# Altium PCB Main.PcbDoc (part 1 of 3) (continued)
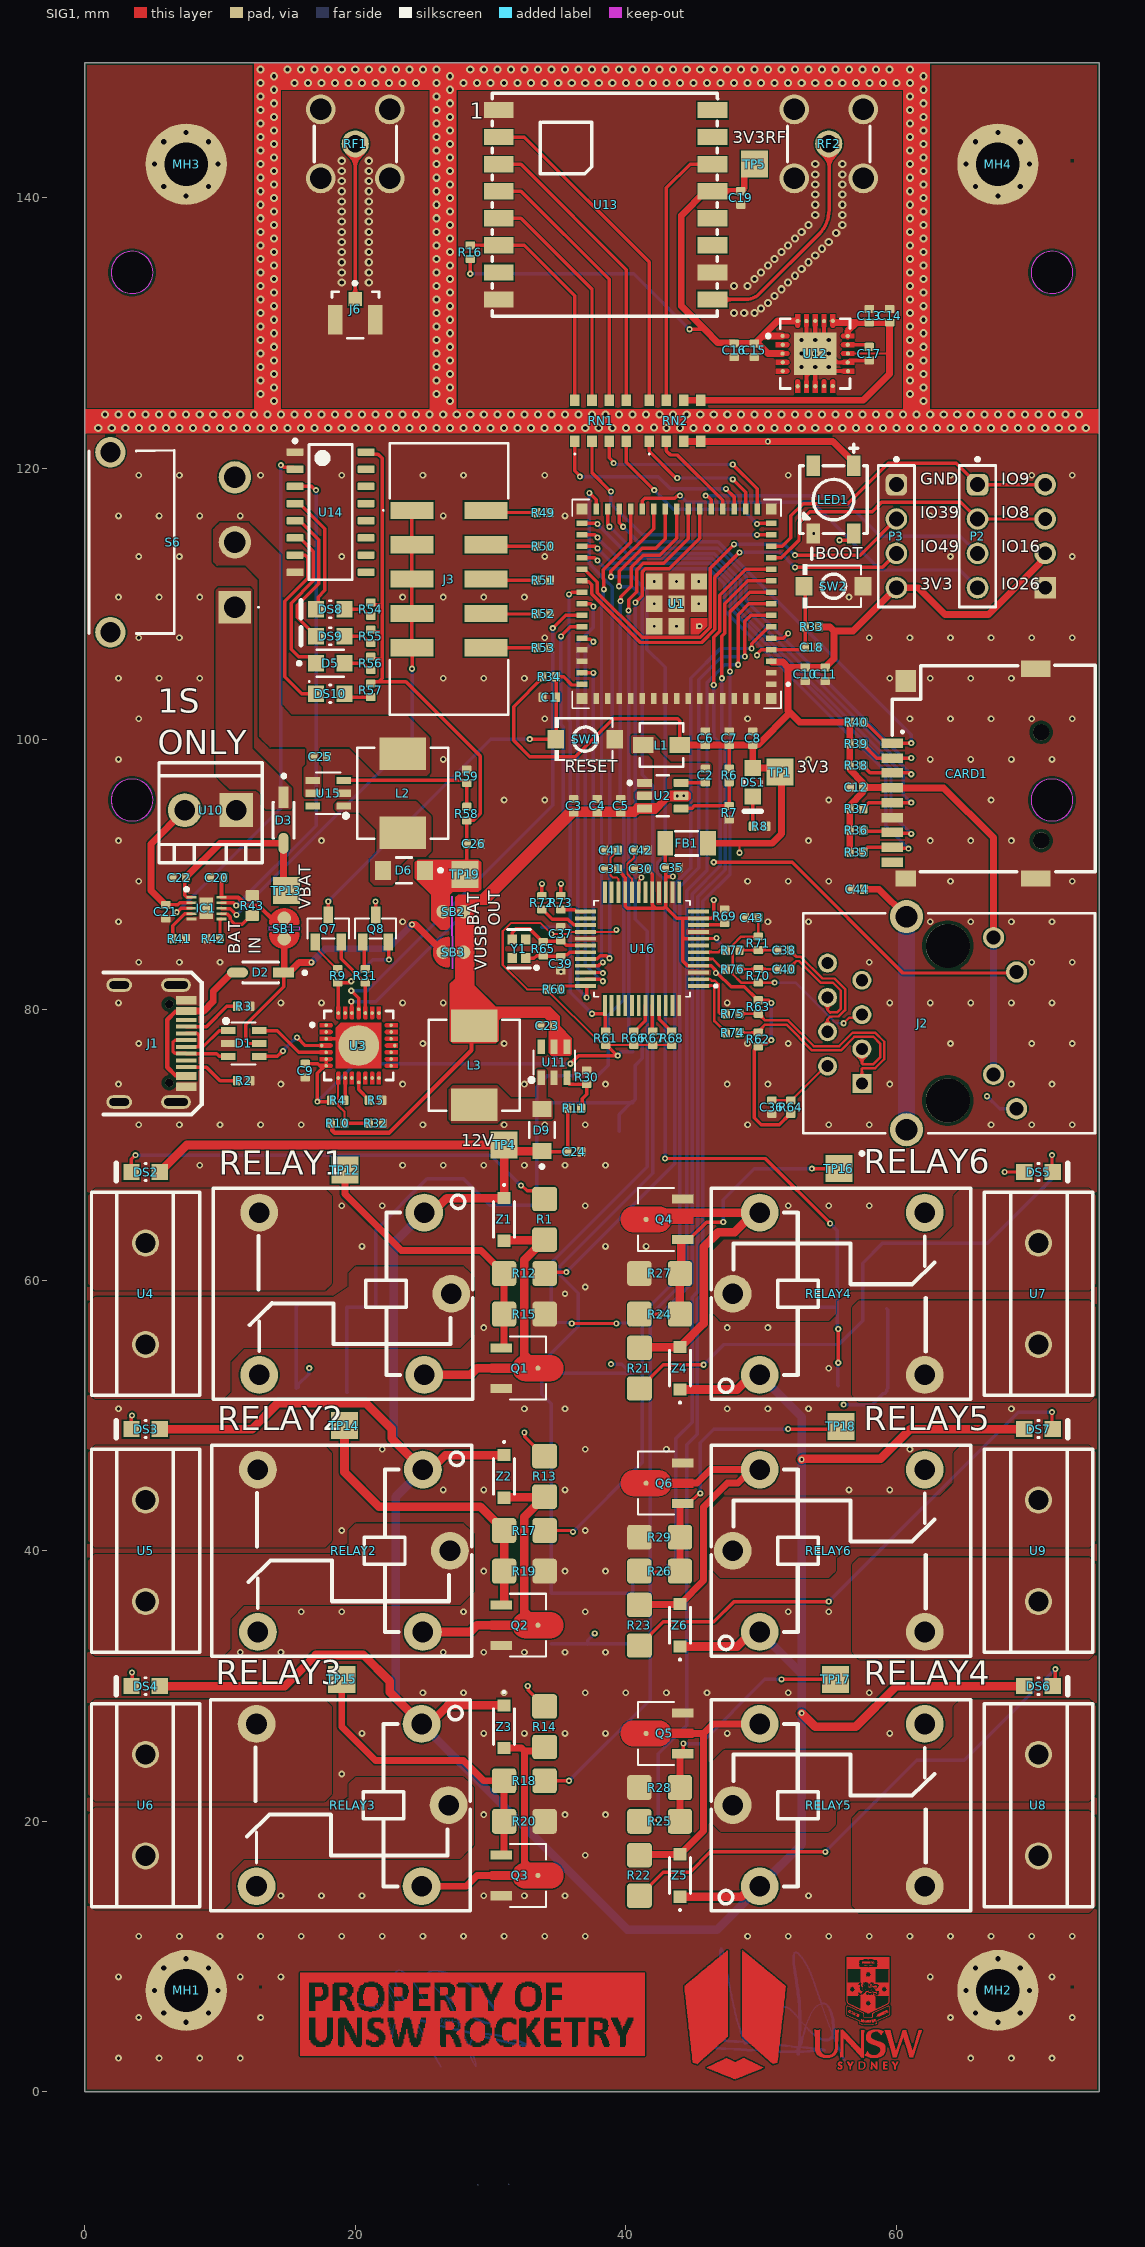
[diagram p0: SIG1 view]
## Components (designator, comment, footprint, x,y, rotation, side; value= is the part's Value field where it differs from the comment)
C1 "CL05B104KB54PNC" CAP_0402 34.35,103.1 r0 top
C2 "CL05B104KB54PNC" CAP_0402 45.884,97.313 r270 top
C3 "CL05A106MQ5NUNC" CAP_0402 36.134,95.063 r270 top value=10u
C4 "CL05A106MQ5NUNC" CAP_0402 37.884,95.063 r270 top value=10u
C5 "CL05B104KB54PNC" CAP_0402 39.634,95.063 r270 top
C6 "GRM158R61A226ME15D" CAP_0402 45.884,100.063 r270 top
C7 "GRM158R61A226ME15D" CAP_0402 47.634,100.063 r270 top
C8 "GRM158R61A226ME15D" CAP_0402 49.384,100.063 r270 top
C9 "CL05A106MQ5NUNC" CAP_0402 16.3,75.5 r90 top value=10u
C10 "CL05B104KB54PNC" CAP_0402 53.25,104.8 r90 top
C11 "CL05A106MQ5NUNC" CAP_0402 54.75,104.8 r90 top value=10u
C12 "CL05B104KB54PNC" CAP_0402 57.05,96.45 r0 top
C13 "CL05A106MQ5NUNC" CAP_0402 58,131.3 r270 top value=10u
C14 "CL05B104KB54PNC" CAP_0402 59.5,131.3 r270 top
C15 "CL05B104KB54PNC" CAP_0402 49.5,128.75 r90 top
C16 "CL05A106MQ5NUNC" CAP_0402 48,128.75 r90 top value=10u
C17 "CL05A106MQ5NUNC" CAP_0402 58,128.5 r270 top value=10u
C18 "CL05B104KB54PNC" CAP_0402 53.75,106.8 r180 top
C19 "CL05B104KB54PNC" CAP_0402 48.5,140 r90 top
C20 "CL05A106MQ5NUNC" CAP_0402 9.75,89.75 r0 top value=10u
C21 "CL05B104KB54PNC" CAP_0402 6,87.25 r270 top
C22 "CL05A106MQ5NUNC" CAP_0402 7,89.75 r0 top value=10u
C23 "GRM158R61A226ME15D" CAP_0402 34.2,78.8 r0 top
C24 "GRM158R61A226ME15D" CAP_0402 36.2,69.5 r180 top
C25 "GRM158R61A226ME15D" CAP_0402 17.4,98.7 r180 top
C26 "GRM158R61A226ME15D" CAP_0402 28.75,92.25 r180 top
C27 "CL05A106MQ5NUNC" CAP_0402 33.8,85.6 r270 bottom value=10u
C28 "CL05B104KB54PNC" CAP_0402 35.2,85.6 r90 bottom
C29 "CL05B104KB54PNC" CAP_0402 43.4,90.5 r0 bottom
C30 "CL05B104KB54PNC" CAP_0402 41.1,90.4 r180 top
C31 "CL05B104KB54PNC" CAP_0402 38.9,90.4 r180 top
C32 "CL05B104KB54PNC" CAP_0402 47.3,86.9 r90 bottom
C33 "CL05B104KB54PNC" CAP_0402 47.9,83 r0 bottom
C34 "CL05B104KB54PNC" CAP_0402 47.9,84.4 r0 bottom
C35 "CL05A106MQ5NUNC" CAP_0402 43.4,90.5 r0 top value=10u
C36 "0402B223K500NT" CAP_0402 50.8,72.8 r90 top
C37 "0402CG8R0C500NT" CAP_0402 35.2,85.6 r270 top
C38 "0402B682K500NT" CAP_0402 51.7,84.4 r180 top
C39 "0402CG8R0C500NT" CAP_0402 35.2,83.4 r90 top
C40 "0402B682K500NT" CAP_0402 51.7,83 r180 top
C41 "CL05B103KB5NNNC" CAP_0402 38.9,91.8 r0 top
C42 "CL05A475MP5NRNC" CAP_0402 41.1,91.8 r180 top
C43 "CL05B103KB5NNNC" CAP_0402 49.3,86.8 r0 top
C44 "CC0402KRX7R0BB102" CAP_0402 57.1,88.9 r0 top
CARD1 "TF PUSH" TF-SMD_TF-PUSH 65,97.45 r90 top
D1 "USBLC6-2SC6" SOT-23-6_L2.9-W1.6-P0.95-LS2.8-BL 11.75,77.5 r270 top
D2 "1N5819HW-7-F" FP-SOD123-IPC_A 13,82.75 r180 top
D3 "1N5819HW-7-F" FP-SOD123-IPC_A 14.7,94 r270 top
D5 "LTST-C170KFKT" FP-LTST-C170KFKT-MFG 18.15,105.6 r0 top
D6 "SS34LWHRVG" FP-SS34LWH-MFG 23.6,90.3 r180 top
D9 "SS34LWHRVG" FP-SS34LWH-MFG 33.8,71.1 r90 top
DS1 "LTST-C170KRKT" LTST-C170KRKT_V 49.384,96.813 r270 top
DS2 "LTST-C170KRKT" LTST-C170KRKT_V 4.5,68 r180 top
DS3 "LTST-C170KRKT" LTST-C170KRKT_V 4.5,49 r180 top
DS4 "LTST-C170KRKT" LTST-C170KRKT_V 4.5,30 r180 top
DS5 "LTST-C170KRKT" LTST-C170KRKT_V 70.5,68 r0 top
DS6 "LTST-C170KRKT" LTST-C170KRKT_V 70.5,30 r0 top
DS7 "LTST-C170KRKT" LTST-C170KRKT_V 70.5,49 r0 top
DS8 "LTST-C170KRKT" LTST-C170KRKT_V 18.15,109.6 r180 top
DS9 "LTST-C170KRKT" LTST-C170KRKT_V 18.15,107.6 r180 top
DS10 "LTST-C170KGKT" LTST-LTST-C170KGKT-2_V 18.15,103.35 r0 top
FB1 "BLM31PG121SN1L" FP-BLM31-0_2-t1_1-MFG 44.5,92.3 r180 top
IC1 "BQ25185DLHR" SON40P220X200X80-11N 9,87.5 r0 top
J1 "TYPE-C-31-M-12" TYPE-C-31-M-12 4.65,77.5 r270 top
J2 "J1B1211CCD" FP-J1B1211CCD-MFG 63.9,79 r90 top
J3 "72454-010VLF" 72454010VLF 26.92,111.83 r270 top
J6 "U.FL-R-SMT-1(80)" FP-U_FL-R-SMT-1_80-MFG 20,131 r180 top
L1 "IHLP1212BZER2R2M11" FP-IHLP-1212BZ-11-MFG 42.634,99.563 r0 top
L2 "IHLP2525EZER4R7M01" FP-IHLP-2525EZ-FP_2_413x3-MFG 23.5,96 r270 top
L3 "IHLP2525EZER4R7M01" FP-IHLP-2525EZ-FP_2_413x3-MFG 28.8,75.9 r270 top
LED1 "XL-5050RGBC-WS2812B" LED-SMD_4P-L5.0-W5.0-BL_XL-5050RGBC 55.35,117.7 r180 top
MH1 "M3PlatedMountingHole2" "PCBComponent_1 - duplicate" 7.5,7.5 r0 top
MH2 "M3PlatedMountingHole2" "PCBComponent_1 - duplicate" 67.5,7.5 r0 top
MH3 "M3PlatedMountingHole2" "PCBComponent_1 - duplicate" 7.5,142.5 r0 top
MH4 "M3PlatedMountingHole2" "PCBComponent_1 - duplicate" 67.5,142.5 r0 top
OLED1 "HS242L03B2C01" OLED-TH_4P-L72.0-W43.0-P2.54 71,115 r180 bottom
P2 "61300411121" 61300411121 66,115 r270 top
P3 "61300411121" 61300411121 60,115 r270 top
Q1 "D882(RANGE:160-320)" SOT-89-3_L4.5-W2.5-P1.50-LS4.2-BR 32.144,53.5 r180 top
Q2 "D882(RANGE:160-320)" SOT-89-3_L4.5-W2.5-P1.50-LS4.2-BR 32.144,34.5 r180 top
Q3 "D882(RANGE:160-320)" SOT-89-3_L4.5-W2.5-P1.50-LS4.2-BR 32.144,16 r180 top
Q4 "D882(RANGE:160-320)" SOT-89-3_L4.5-W2.5-P1.50-LS4.2-BR 42.856,64.5 r0 top
Q5 "D882(RANGE:160-320)" SOT-89-3_L4.5-W2.5-P1.50-LS4.2-BR 42.856,26.5 r0 top
Q6 "D882(RANGE:160-320)" SOT-89-3_L4.5-W2.5-P1.50-LS4.2-BR 42.856,45 r0 top
Q7 "L8050QLT1G" SOT-23-3_L2.9-W1.3-P1.90-LS2.4-BR 18,86 r270 top
Q8 "L8050QLT1G" SOT-23-3_L2.9-W1.3-P1.90-LS2.4-BR 21.5,86 r270 top
R1 "RC1206FR-7W1KL" RES_1206 34,64.5 r270 top value=1k
R2 "0402WGF5101TCE" RES_0402 11.75,74.75 r0 top value=5k1
R3 "0402WGF5101TCE" RES_0402 11.75,80.25 r0 top value=5k1
R4 "0402WGF1001TCE" RES_0402 18.7,73.3 r0 top value=1k
R5 "0402WGF1002TCE" RES_0402 21.5,73.3 r180 top value=10k
R6 "0402WGF3322TCE" RES_0402 47.634,97.313 r90 top value=33k2
R7 "0402WGF1002TCE" RES_0402 47.634,94.563 r90 top value=10k
R8 "0402WGF1001TCE" RES_0402 49.884,93.563 r180 top value=1k
R9 "0402WGF1002TCE" RES_0402 18.7,82.5 r270 top value=10k
R10 "0402WGF2212TCE" RES_0402 18.7,71.6 r180 top
R11 "0402WGF8202TCE" RES_0402 36.2,72.7 r180 top value=82k
R12 "RC1206FR-7W1KL" RES_1206 32.5,60.5 r0 top value=1k
R13 "RC1206FR-7W1KL" RES_1206 34,45.5 r270 top value=1k
R14 "RC1206FR-7W1KL" RES_1206 34,27 r270 top value=1k
R15 "1206W4F1002T5E" RES_1206 32.5,57.5 r180 top value=10k
R16 "0402WGF1002TCE" RES_0402 28.5,136 r90 top value=10k
R17 "RC1206FR-7W1KL" RES_1206 32.5,41.5 r0 top value=1k
R18 "RC1206FR-7W1KL" RES_1206 32.5,23 r0 top value=1k
R19 "1206W4F1002T5E" RES_1206 32.5,38.5 r180 top value=10k
R20 "1206W4F1002T5E" RES_1206 32.5,20 r180 top value=10k
R21 "RC1206FR-7W1KL" RES_1206 41,53.5 r90 top value=1k
R22 "RC1206FR-7W1KL" RES_1206 41,16 r90 top value=1k
R23 "RC1206FR-7W1KL" RES_1206 41,34.5 r90 top value=1k
R24 "RC1206FR-7W1KL" RES_1206 42.5,57.5 r180 top value=1k
R25 "RC1206FR-7W1KL" RES_1206 42.5,20 r180 top value=1k
R26 "RC1206FR-7W1KL" RES_1206 42.5,38.5 r180 top value=1k
R27 "1206W4F1002T5E" RES_1206 42.5,60.5 r0 top value=10k
R28 "1206W4F1002T5E" RES_1206 42.5,22.5 r0 top value=10k
R29 "1206W4F1002T5E" RES_1206 42.5,41 r0 top value=10k
R30 "RC0402FR-074K3L" RES_0402 37.1,75 r270 top value=4k3
R31 "0402WGF1002TCE" RES_0402 20.75,82.5 r270 top value=10k
R32 "RC0402FR-0747K5L" RES_0402 21.5,71.6 r180 top
R33 "0402WGF1002TCE" RES_0402 53.75,108.3 r180 top value=10k
R34 "0402WGF1002TCE" RES_0402 34.35,104.6 r0 top value=10k
R35 "0402WGF1002TCE" RES_0402 57.05,91.65 r180 top value=10k
R36 "0402WGF1002TCE" RES_0402 57.05,93.25 r180 top value=10k
R37 "0402WGF1002TCE" RES_0402 57.05,94.85 r180 top value=10k
R38 "0402WGF1002TCE" RES_0402 57.05,98.05 r180 top value=10k
R39 "0402WGF1002TCE" RES_0402 57.05,99.65 r180 top value=10k
R40 "0402WGF1002TCE" RES_0402 57.05,101.25 r180 top value=10k
R41 "0402WGF1002TCE" RES_0402 7,85.25 r180 top value=10k
R42 "0402WGF1002TCE" RES_0402 9.5,85.25 r0 top value=10k
R43 "0603WAF1302T5E" RES_0603 12.4,87.7 r270 top
R44 "0402WGF1002TCE" RES_0402 35,59 r0 bottom value=10k
R45 "0402WGF1002TCE" RES_0402 40,71 r0 bottom value=10k
R46 "0402WGF1002TCE" RES_0402 21.5,57.5 r270 bottom value=10k
R47 "0402WGF1002TCE" RES_0402 40,39 r180 bottom value=10k
R48 "0402WGF1002TCE" RES_0402 53.5,57.5 r270 bottom value=10k
R49 "0402WGF3000TCE" RES_0402 33.9,116.75 r0 top
R50 "CL0402FN604RP" RES_0402 33.9,114.25 r0 top
R51 "0402WGF1201TCE" RES_0402 33.9,111.75 r0 top
R52 "FRC0402F3001TS" RES_0402 33.9,109.25 r0 top
R53 "RC0402FR-076K04L" RES_0402 33.9,106.75 r0 top
R54 "0402WGF1001TCE" RES_0402 21.15,109.6 r270 top value=1k
R55 "0402WGF1001TCE" RES_0402 21.15,107.6 r270 top value=1k
R56 "0402WGF1001TCE" RES_0402 21.15,105.6 r270 top value=1k
R57 "0402WGF1001TCE" RES_0402 21.15,103.6 r270 top value=1k
R58 "RC0402FR-07110KL" RES_0402 28.25,94.5 r270 top value=110k
R59 "0402WGF1502TCE" RES_0402 28.25,97.25 r270 top value=15k
R60 "0402WGF1002TCE" RES_0402 34.7,81.5 r180 top value=10k
R61 "0402WGF1002TCE" RES_0402 38.5,77.9 r270 top value=10k
R62 "RT0402BRE0750RL" RES_0402 49.8,77.8 r270 top
R63 "RT0402BRE0750RL" RES_0402 49.8,80.2 r90 top
R64 "0402WGF100JTCE" RES_0402 52.2,72.8 r270 top
R65 "0402WGF1004TCE" RES_0402 33.9,84.5 r90 top
R66 "0402WGF1002TCE" RES_0402 40.6,77.9 r270 top value=10k
R67 "0402WGF1002TCE" RES_0402 42,77.9 r270 top value=10k
R68 "0402WGF1002TCE" RES_0402 43.4,77.9 r270 top value=10k
R69 "0402WGF1242TCE" RES_0402 47.3,86.9 r270 top
R70 "RT0402BRE0750RL" RES_0402 49.8,82.5 r90 top
R71 "RT0402BRE0750RL" RES_0402 49.8,84.9 r270 top
R72 "0402WGF3300TCE" RES_0402 33.8,87.9 r270 top
R73 "0402WGF3300TCE" RES_0402 35.2,87.9 r270 top
R74 "0402WGF330JTCE" RES_0402 47.9,78.3 r0 top
R75 "0402WGF330JTCE" RES_0402 47.9,79.7 r0 top
R76 "0402WGF330JTCE" RES_0402 47.9,83 r0 top
R77 "0402WGF330JTCE" RES_0402 47.9,84.4 r0 top
RELAY1 "SRD-12VDC-SL-C" RELAY-TH_SRD-XXVDC-XL-C 20,59 r180 top
RELAY2 "SRD-12VDC-SL-C" RELAY-TH_SRD-XXVDC-XL-C 19.9,40 r180 top
RELAY3 "SRD-12VDC-SL-C" RELAY-TH_SRD-XXVDC-XL-C 19.8,21.2 r180 top
RELAY4 "SRD-12VDC-SL-C" RELAY-TH_SRD-XXVDC-XL-C 55,59 r0 top
RELAY5 "SRD-12VDC-SL-C" RELAY-TH_SRD-XXVDC-XL-C 55,21.2 r0 top
RELAY6 "SRD-12VDC-SL-C" RELAY-TH_SRD-XXVDC-XL-C 55,40 r0 top
RF1 "BWSMA-KWE-Z001" SMA-TH_BWSMA-KWE-Z001 20,144 r90 top value=-
RF2 "BWSMA-KWE-Z001" SMA-TH_BWSMA-KWE-Z001 55,144 r90 top value=-
RN1 "YC324-JK-070RL" YC324JK07220RL 38.135,123.525 r0 top
RN2 "YC324-JK-070RL" YC324JK07220RL 43.635,123.525 r0 top
S1 "TS-1187A-B-A-B" TS1187ABAB 37.5,55 r0 bottom
S2 "TS-1187A-B-A-B" TS1187ABAB 37.5,75 r180 bottom
S3 "TS-1187A-B-A-B" TS1187ABAB 17.5,55 r270 bottom
S4 "TS-1187A-B-A-B" TS1187ABAB 37.5,35 r0 bottom
S5 "TS-1187A-B-A-B" TS1187ABAB 57.5,55 r90 bottom
S6 "SS-12D11G5R" SS12D11G5R 11.1,109.75 r90 top
SB1 "SolderBridgeOpen" PCBComponent_1 14.75,86 r90 top
SB2 "SolderBridgeOpen" PCBComponent_1 27.25,87.25 r0 top
SB3 "SolderBridgeOpen" PCBComponent_1 27.25,84.25 r0 top
SW1 "TS-1088-AR02016" SW-SMD_L3.9-W3.0-P4.45 37,100 r180 top
SW2 "TS-1088-AR02016" SW-SMD_L3.9-W3.0-P4.45 55.35,111.3 r180 top
TP1 "Pad" PAD_SQ_2MM 51.384,97.563 r0 top
TP4 "Pad" PAD_SQ_2MM 31,70 r270 top
TP5 "Pad" PAD_SQ_2MM 49.5,142.5 r90 top
TP12 "Pad" PAD_SQ_2MM 19.228,68.148 r90 top
TP13 "Pad" PAD_SQ_2MM 14.9,88.8 r90 top
TP14 "Pad" PAD_SQ_2MM 19.201,49.251 r90 top
TP15 "Pad" PAD_SQ_2MM 19,30.5 r90 top
TP16 "Pad" PAD_SQ_2MM 55.75,68.25 r90 top
TP17 "Pad" PAD_SQ_2MM 55.5,30.5 r90 top
TP18 "Pad" PAD_SQ_2MM 55.9,49.2 r90 top
TP19 "Pad" PAD_SQ_2MM 28.1,90 r90 top
U1 "ESP32-S3-MINI-1U-N8" XCVR_ESP32-S3-MINI-1U-N8 43.75,110 r180 top
U2 "TPS563200DDCR" FP-DDC0006A-MFG 42.734,95.813 r0 top
U3 "CP2102N-A02-GQFN28R" FP-CP2102N-A02-GQFN28R-MFG 20.25,77.35 r0 top
U4 "XY705V-7.5-2P" CONN-TH_XY705V-7.5-2P 4.5,59 r270 top
U5 "XY705V-7.5-2P" CONN-TH_XY705V-7.5-2P 4.5,40 r270 top
U6 "XY705V-7.5-2P" CONN-TH_XY705V-7.5-2P 4.5,21.2 r270 top
U7 "XY705V-7.5-2P" CONN-TH_XY705V-7.5-2P 70.5,59 r90 top
U8 "XY705V-7.5-2P" CONN-TH_XY705V-7.5-2P 70.5,21.2 r90 top
U9 "XY705V-7.5-2P" CONN-TH_XY705V-7.5-2P 70.5,40 r90 top
U10 "DB125-3.81-2P-RD-S" CONN-TH_DB125-3.81-2P-RD 9.3,94.75 r180 top
U11 "MT3608L" SOT-23-6_L2.9-W1.6-P0.95-LS2.8-BL_3 34.7,76.1 r0 top
U12 "TPS7A4700RGWR" FP-RGW0020A-MFG 54,128.5 r0 top
U13 "915MHz" LCC-16_L16.0-W16.0-P2.00-TL 38.5,139.5 r0 top
U14 "SN74HC139DR" D0016A_L 18.175,116.775 r0 top
U15 "MT3608L" SOT-23-6_L2.9-W1.6-P0.95-LS2.8-BL_3 18,96 r90 top
U16 "W5500" QFP50P900X900X160-48N 41.2,84.5 r180 top
Y1 "XRCGB25M000F3A00R0" FP-XRCGB-MFG 32.1,84.5 r90 top
Z1 "BZT52C4V7" BZT52C4V7 31,64.5 r270 top
Z2 "BZT52C4V7" BZT52C4V7 31,45.5 r270 top
Z3 "BZT52C4V7" BZT52C4V7 31,27 r270 top
Z4 "BZT52C4V7" BZT52C4V7 44,53.5 r90 top
Z5 "BZT52C4V7" BZT52C4V7 44,16 r90 top
Z6 "BZT52C4V7" BZT52C4V7 44,34.5 r90 top

## Footprints (in the part's own frame and the unit in brackets; to place one, negate y for a bottom-side part, rotate by r counter-clockwise, add the part's x,y. Pads: shape width x height; smd on the part's side, far side on the other; paste and mask are expansions set on the pad)
72454010VLF [mm]
  rect 1.27x3.18 smd: 1(-5.08,-2.73) 2(-5.08,2.73) 3(-2.54,-2.73) 4(-2.54,2.73) 5(0,-2.73) 6(0,2.73) 7(2.54,-2.73) 8(2.54,2.73) 9(5.08,-2.73) 10(5.08,2.73)
  silkscreen extent -10.03,-4.9 10.03,4.38, body extent -10.03,-4.38 10.03,4.38, height 12.88
61300411121 [mm] "Pin Header, pitch 2.54 mm, THT, Vertical, single row, 4p"
  rrect50% 1.6x1.6 hole 1.1: 1(-3.81,0)
  round 1.6 hole 1.1: 2(-1.27,0) 3(1.27,0) 4(3.81,0)
  silkscreen extent -5.8,-1.35 5.23,1.35, body extent -5.08,-1.27 5.08,1.27, height 8.57
BZT52C4V7 [mm]
  rect 0.9x0.95 smd: 1(-1.575,0) 2(1.575,0)
  silkscreen extent -2.6,-0.77 1.33,0.77, body extent -1.93,-0.77 1.93,0.77, height 1.45
CAP_0402 [mm]
  rrect25% 0.6x0.7 smd: 1(-0.5,0) 2(0.5,0)
  body extent -0.5,-0.26 0.5,0.26, height 0.37
CONN-TH_DB125-3.81-2P-RD [mm]
  rect 2.5x2.5 hole 1.5: 1(-1.905,0)
  round 2.5 hole 1.5: 2(1.905,0)
  silkscreen extent -3.81,-3.5 3.81,3.9
CONN-TH_XY705V-7.5-2P [mm]
  round 2 hole 1.5: 1(-3.75,0) 2(3.75,0)
  silkscreen extent -7.5,-4 7.5,4
D0016A_L [mm] "SOIC, 16-Leads, Body 10x4mm, Pitch 1.27mm, IPC High Density"
  rrect18% 1.25x0.55 smd: 1(-2.625,4.445) 2(-2.625,3.175) 3(-2.625,1.905) 4(-2.625,0.635) 5(-2.625,-0.635) 6(-2.625,-1.905) 7(-2.625,-3.175) 8(-2.625,-4.445) 9(2.625,-4.445) 10(2.625,-3.175) 11(2.625,-1.905) 12(2.625,-0.635) 13(2.625,0.635) 14(2.625,1.905) 15(2.625,3.175) 16(2.625,4.445)
  silkscreen extent -2.75,-5 1.6,5.39, body extent -3,-4.95 3,4.95, height 1.59
FP-BLM31-0_2-t1_1-MFG [mm]
  rect 1.15x1.8 smd paste+0 mask+0: 1(-1.575,0) 2(1.575,0)
  silkscreen extent -0.83,-0.9 0.83,0.9, body extent -2.25,-1 2.25,1, height 0.25
FP-CP2102N-A02-GQFN28R-MFG [mm]
  round 0.27 smd paste+0 mask+0: 1(-2.4,1.5) 2(-2.4,1) 3(-2.4,0.5) 4(-2.725,0) 5(-2.4,-0.5) 6(-2.4,-1) 7(-2.4,-1.5) 8(-1.5,-2.4) 9(-1,-2.4) 10(-0.5,-2.4) 11(0,-2.725) 12(0.5,-2.4) 13(1,-2.4) 14(1.5,-2.4) 15(2.4,-1.5) 16(2.4,-1) 17(2.4,-0.5) 18(2.675,0) 19(2.4,0.5) 20(2.4,1) 21(2.4,1.5) 22(1.5,2.4) 23(1,2.4) 24(0.5,2.4) 25(0,2.675) 26(-0.5,2.4) 27(-1,2.4) 28(-1.5,2.4)
  round 3.015 smd paste-1000 mask+0: 29(0,0)
  SIG1 region: -2.875,0.65 -2.075,0.65 -2.018,0.639 -1.969,0.606 -1.936,0.557 -1.925,0.5 -1.925,0.5 -1.936,0.443 -1.969,0.394 -2.018,0.361 -2.075,0.35 -2.075,0.35 -2.875,0.35
  SIG1 region: -2.875,-0.85 -2.075,-0.85 -2.018,-0.861 -1.969,-0.894 -1.936,-0.943 -1.925,-1 -1.925,-1 -1.936,-1.057 -1.969,-1.106 -2.018,-1.139 -2.075,-1.15 -2.075,-1.15 -2.875,-1.15
  SIG1 region: -2.875,-1.35 -2.075,-1.35 -2.018,-1.361 -1.969,-1.394 -1.936,-1.443 -1.925,-1.5 -1.925,-1.5 -1.936,-1.557 -1.969,-1.606 -2.018,-1.639 -2.075,-1.65 -2.075,-1.65 -2.875,-1.65
  SIG1 region: -0.35,2.875 -0.35,2.075 -0.361,2.018 -0.394,1.969 -0.443,1.936 -0.5,1.925 -0.5,1.925 -0.557,1.936 -0.606,1.969 -0.639,2.018 -0.65,2.075 -0.65,2.075 -0.65,2.875
  SIG1 region: 0.15,2.875 0.15,2.075 0.139,2.018 0.106,1.969 0.057,1.936 0,1.925 0,1.925 -0.057,1.936 -0.106,1.969 -0.139,2.018 -0.15,2.075 -0.15,2.075 -0.15,2.875
  SIG1 region: -1.35,2.875 -1.35,2.075 -1.361,2.018 -1.394,1.969 -1.443,1.936 -1.5,1.925 -1.5,1.925 -1.557,1.936 -1.606,1.969 -1.639,2.018 -1.65,2.075 -1.65,2.075 -1.65,2.875
  SIG1 region: -0.85,2.875 -0.85,2.075 -0.861,2.018 -0.894,1.969 -0.943,1.936 -1,1.925 -1,1.925 -1.057,1.936 -1.106,1.969 -1.139,2.018 -1.15,2.075 -1.15,2.075 -1.15,2.875
  SIG1 region: 0.65,2.875 0.65,2.075 0.639,2.018 0.606,1.969 0.557,1.936 0.5,1.925 0.5,1.925 0.443,1.936 0.394,1.969 0.361,2.018 0.35,2.075 0.35,2.075 0.35,2.875
  SIG1 region: 1.15,2.875 1.15,2.075 1.139,2.018 1.106,1.969 1.057,1.936 1,1.925 1,1.925 0.943,1.936 0.894,1.969 0.861,2.018 0.85,2.075 0.85,2.075 0.85,2.875
  SIG1 region: 1.65,2.875 1.65,2.075 1.639,2.018 1.606,1.969 1.557,1.936 1.5,1.925 1.5,1.925 1.443,1.936 1.394,1.969 1.361,2.018 1.35,2.075 1.35,2.075 1.35,2.875
  SIG1 region: 2.875,1.35 2.075,1.35 2.018,1.361 1.969,1.394 1.936,1.443 1.925,1.5 1.925,1.5 1.936,1.557 1.969,1.606 2.018,1.639 2.075,1.65 2.075,1.65 2.875,1.65
  SIG1 region: 2.875,0.85 2.075,0.85 2.018,0.861 1.969,0.894 1.936,0.943 1.925,1 1.925,1 1.936,1.057 1.969,1.106 2.018,1.139 2.075,1.15 2.075,1.15 2.875,1.15
  SIG1 region: 2.875,0.35 2.075,0.35 2.018,0.361 1.969,0.394 1.936,0.443 1.925,0.5 1.925,0.5 1.936,0.557 1.969,0.606 2.018,0.639 2.075,0.65 2.075,0.65 2.875,0.65
  SIG1 region: 2.875,-0.15 2.075,-0.15 2.018,-0.139 1.969,-0.106 1.936,-0.057 1.925,0 1.925,0 1.936,0.057 1.969,0.106 2.018,0.139 2.075,0.15 2.075,0.15 2.875,0.15
  SIG1 region: 2.875,-0.65 2.075,-0.65 2.018,-0.639 1.969,-0.606 1.936,-0.557 1.925,-0.5 1.925,-0.5 1.936,-0.443 1.969,-0.394 2.018,-0.361 2.075,-0.35 2.075,-0.35 2.875,-0.35
  SIG1 region: 2.875,-1.15 2.075,-1.15 2.018,-1.139 1.969,-1.106 1.936,-1.057 1.925,-1 1.925,-1 1.936,-0.943 1.969,-0.894 2.018,-0.861 2.075,-0.85 2.075,-0.85 2.875,-0.85
  SIG1 region: 2.875,-1.65 2.075,-1.65 2.018,-1.639 1.969,-1.606 1.936,-1.557 1.925,-1.5 1.925,-1.5 1.936,-1.443 1.969,-1.394 2.018,-1.361 2.075,-1.35 2.075,-1.35 2.875,-1.35
  SIG1 region: 1.35,-2.875 1.35,-2.075 1.361,-2.018 1.394,-1.969 1.443,-1.936 1.5,-1.925 1.5,-1.925 1.557,-1.936 1.606,-1.969 1.639,-2.018 1.65,-2.075 1.65,-2.075 1.65,-2.875
  SIG1 region: 0.85,-2.875 0.85,-2.075 0.861,-2.018 0.894,-1.969 0.943,-1.936 1,-1.925 1,-1.925 1.057,-1.936 1.106,-1.969 1.139,-2.018 1.15,-2.075 1.15,-2.075 1.15,-2.875
  SIG1 region: 0.35,-2.875 0.35,-2.075 0.361,-2.018 0.394,-1.969 0.443,-1.936 0.5,-1.925 0.5,-1.925 0.557,-1.936 0.606,-1.969 0.639,-2.018 0.65,-2.075 0.65,-2.075 0.65,-2.875
  SIG1 region: -0.15,-2.875 -0.15,-2.075 -0.139,-2.018 -0.106,-1.969 -0.057,-1.936 0,-1.925 0,-1.925 0.057,-1.936 0.106,-1.969 0.139,-2.018 0.15,-2.075 0.15,-2.075 0.15,-2.875
  SIG1 region: -0.65,-2.875 -0.65,-2.075 -0.639,-2.018 -0.606,-1.969 -0.557,-1.936 -0.5,-1.925 -0.5,-1.925 -0.443,-1.936 -0.394,-1.969 -0.361,-2.018 -0.35,-2.075 -0.35,-2.075 -0.35,-2.875
  SIG1 region: -1.15,-2.875 -1.15,-2.075 -1.139,-2.018 -1.106,-1.969 -1.057,-1.936 -1,-1.925 -1,-1.925 -0.943,-1.936 -0.894,-1.969 -0.861,-2.018 -0.85,-2.075 -0.85,-2.075 -0.85,-2.875
  SIG1 region: -1.65,-2.875 -1.65,-2.075 -1.639,-2.018 -1.606,-1.969 -1.557,-1.936 -1.5,-1.925 -1.5,-1.925 -1.443,-1.936 -1.394,-1.969 -1.361,-2.018 -1.35,-2.075 -1.35,-2.075 -1.35,-2.875
  SIG1 region: -2.875,-0.35 -2.075,-0.35 -2.018,-0.361 -1.969,-0.394 -1.936,-0.443 -1.925,-0.5 -1.925,-0.5 -1.936,-0.557 -1.969,-0.606 -2.018,-0.639 -2.075,-0.65 -2.075,-0.65 -2.875,-0.65
  SIG1 region: -2.875,0.15 -2.075,0.15 -2.018,0.139 -1.969,0.106 -1.936,0.057 -1.925,0 -1.925,0 -1.936,-0.057 -1.969,-0.106 -2.018,-0.139 -2.075,-0.15 -2.075,-0.15 -2.875,-0.15
  SIG1 region: -2.875,1.15 -2.075,1.15 -2.018,1.139 -1.969,1.106 -1.936,1.057 -1.925,1 -1.925,1 -1.936,0.943 -1.969,0.894 -2.018,0.861 -2.075,0.85 -2.075,0.85 -2.875,0.85
  SIG1 region: -2.875,1.65 -2.075,1.65 -2.018,1.639 -1.969,1.606 -1.936,1.557 -1.925,1.5 -1.925,1.5 -1.936,1.443 -1.969,1.394 -2.018,1.361 -2.075,1.35 -2.075,1.35 -2.875,1.35
  SIG1 region: -1.325,1.675 1.675,1.675 1.675,-1.675 -1.675,-1.675 -1.675,1.325 -1.325,1.675
  silkscreen extent -3.55,-2.55 2.55,2.55, body extent -2.98,-2.98 2.98,2.98, height 0.25
FP-DDC0006A-MFG [mm]
  rrect17% 1.1x0.6 smd paste+0 mask+0: 1(-1.35,0.95) 2(-1.35,0) 3(-1.35,-0.95) 4(1.35,-0.95) 5(1.35,0) 6(1.35,0.95)
  silkscreen extent -2.57,-1.53 0.42,1.53, body extent -2,-1.63 2,1.63, height 0.25
FP-IHLP-1212BZ-11-MFG [mm]
  rect 1.5x1.2 smd paste+0 mask+0: 1(-1.35,0) 2(1.35,0)
  silkscreen extent -1.6,-1.6 1.6,1.6, body extent -2.2,-1.7 2.2,1.7, height 0.25
FP-IHLP-2525EZ-FP_2_413x3-MFG [mil]
  rect 95x135 smd paste+0 mask+0: 1(-115,0) 2(115,0)
  silkscreen extent -132,-132 132,132, body extent -166,-136 166,136, height 10
FP-J1B1211CCD-MFG [mm]
  rect 1.4x1.4 hole 0.9 paste-2539.97 mask+0: 1(-4.445,6.45)
  round 1.4 hole 0.9 paste-2539.97 mask+0: 2(-3.175,8.99) 3(-1.905,6.45) 4(-0.635,8.99) 5(0.635,6.45) 6(1.905,8.99) 7(3.175,6.45) 8(4.445,8.99)
  round 1.57 hole 1.02 paste-2539.97 mask+0: 9(-6.325,-4.98) 10(-3.785,-3.28) 11(3.785,-4.98) 12(6.325,-3.28)
  round 2.45 hole 1.6 paste-2539.97 mask+0: 13(-7.875,3.15) 14(7.875,3.15)
  round 3.25 hole 3.25 unplated paste-2539.97 mask+0: ""(-5.715,0.1) ""(5.715,0.1)
  silkscreen extent -9.75,-10.78 8.13,10.78, body extent -9.2,-10.87 9.2,10.87, height 0.25
FP-LTST-C170KFKT-MFG [mm]
  rect 1.2x1.2 smd paste+0 mask+0: 1(-1.05,0) 2(1.05,0)
  silkscreen extent -2.42,-1 1,1, body extent -1.75,-0.77 1.75,0.77, height 0.25
FP-RGW0020A-MFG [mm]
  round 0.315 smd paste-1000 mask+0: 1(-2.418,1.3) 2(-2.4,0.65) 3(-2.418,0) 4(-2.4,-0.65) 5(-2.4,-1.3) 6(-1.3,-2.418) 7(-0.65,-2.4) 8(0,-2.418) 9(0.65,-2.4) 10(1.3,-2.4) 11(2.418,-1.3) 12(2.4,-0.65) 13(2.418,0) 14(2.4,0.65) 15(2.4,1.3) 16(1.3,2.418) 17(0.65,2.4) 18(0,2.418) 19(-0.65,2.4) 20(-1.3,2.4)
  rect 3.15x3.15 smd paste-1000 mask+0: 21(0,0)
  SIG1 region: -0.825,-2.9 -0.825,-2.075 -0.812,-2.008 -0.774,-1.951 -0.717,-1.913 -0.65,-1.9 -0.65,-1.9 -0.583,-1.913 -0.526,-1.951 -0.488,-2.008 -0.475,-2.075 -0.475,-2.075 -0.475,-2.9
  SIG1 region: -0.175,-2.9 -0.175,-2.075 -0.162,-2.008 -0.124,-1.951 -0.067,-1.913 0,-1.9 0,-1.9 0.067,-1.913 0.124,-1.951 0.162,-2.008 0.175,-2.075 0.175,-2.075 0.175,-2.9
  SIG1 region: 0.175,2.9 0.175,2.075 0.152,1.987 0.088,1.923 0,1.9 0,1.9 -0.067,1.913 -0.124,1.951 -0.162,2.008 -0.175,2.075 -0.175,2.075 -0.175,2.9
  SIG1 region: -0.475,2.9 -0.475,2.075 -0.498,1.987 -0.563,1.923 -0.65,1.9 -0.65,1.9 -0.717,1.913 -0.774,1.951 -0.812,2.008 -0.825,2.075 -0.825,2.075 -0.825,2.9
  SIG1 region: 0.825,2.9 0.825,2.075 0.802,1.987 0.738,1.923 0.65,1.9 0.65,1.9 0.583,1.913 0.526,1.951 0.488,2.008 0.475,2.075 0.475,2.075 0.475,2.9
  SIG1 region: 2.9,-1.475 2.075,-1.475 2.008,-1.462 1.951,-1.424 1.913,-1.367 1.9,-1.3 1.9,-1.3 1.913,-1.233 1.951,-1.176 2.008,-1.138 2.075,-1.125 2.075,-1.125 2.9,-1.125
  SIG1 region: 2.9,-0.825 2.075,-0.825 2.008,-0.812 1.951,-0.774 1.913,-0.717 1.9,-0.65 1.9,-0.65 1.913,-0.583 1.951,-0.526 2.008,-0.488 2.075,-0.475 2.075,-0.475 2.9,-0.475
  SIG1 region: -1.125,2.9 -1.125,2.075 -1.148,1.987 -1.212,1.923 -1.3,1.9 -1.3,1.9 -1.367,1.913 -1.424,1.951 -1.462,2.008 -1.475,2.075 -1.475,2.075 -1.475,2.9
  SIG1 region: 1.475,2.9 1.475,2.075 1.452,1.987 1.388,1.923 1.3,1.9 1.3,1.9 1.233,1.913 1.176,1.951 1.138,2.008 1.125,2.075 1.125,2.075 1.125,2.9
  SIG1 region: 1.125,-2.9 1.125,-2.075 1.138,-2.008 1.176,-1.951 1.233,-1.913 1.3,-1.9 1.3,-1.9 1.367,-1.913 1.424,-1.951 1.462,-2.008 1.475,-2.075 1.475,-2.075 1.475,-2.9
  SIG1 region: 0.475,-2.9 0.475,-2.075 0.488,-2.008 0.526,-1.951 0.583,-1.913 0.65,-1.9 0.65,-1.9 0.717,-1.913 0.774,-1.951 0.812,-2.008 0.825,-2.075 0.825,-2.075 0.825,-2.9
  SIG1 region: -1.475,-2.9 -1.475,-2.075 -1.462,-2.008 -1.424,-1.951 -1.367,-1.913 -1.3,-1.9 -1.3,-1.9 -1.233,-1.913 -1.176,-1.951 -1.138,-2.008 -1.125,-2.075 -1.125,-2.075 -1.125,-2.9
  SIG1 region: 2.9,1.125 2.075,1.125 2.008,1.138 1.951,1.176 1.913,1.233 1.9,1.3 1.9,1.3 1.913,1.367 1.951,1.424 2.008,1.462 2.075,1.475 2.075,1.475 2.9,1.475
  SIG1 region: 2.9,0.475 2.075,0.475 2.008,0.488 1.951,0.526 1.913,0.583 1.9,0.65 1.9,0.65 1.913,0.717 1.951,0.774 2.008,0.812 2.075,0.825 2.075,0.825 2.9,0.825
  SIG1 region: 2.9,-0.175 2.075,-0.175 2.008,-0.162 1.951,-0.124 1.913,-0.067 1.9,0 1.9,0 1.913,0.067 1.951,0.124 2.008,0.162 2.075,0.175 2.075,0.175 2.9,0.175
  SIG1 region: -2.9,-1.125 -2.075,-1.125 -2.008,-1.138 -1.951,-1.176 -1.913,-1.233 -1.9,-1.3 -1.9,-1.3 -1.923,-1.388 -1.987,-1.452 -2.075,-1.475 -2.075,-1.475 -2.9,-1.475
  SIG1 region: -2.9,-0.475 -2.075,-0.475 -2.008,-0.488 -1.951,-0.526 -1.913,-0.583 -1.9,-0.65 -1.9,-0.65 -1.923,-0.738 -1.987,-0.802 -2.075,-0.825 -2.075,-0.825 -2.9,-0.825
  SIG1 region: -2.9,0.175 -2.075,0.175 -2.008,0.162 -1.951,0.124 -1.913,0.067 -1.9,0 -1.9,0 -1.923,-0.088 -1.987,-0.152 -2.075,-0.175 -2.075,-0.175 -2.9,-0.175
  SIG1 region: -2.9,0.825 -2.075,0.825 -2.008,0.812 -1.951,0.774 -1.913,0.717 -1.9,0.65 -1.9,0.65 -1.923,0.563 -1.987,0.498 -2.075,0.475 -2.075,0.475 -2.9,0.475
  SIG1 region: -2.9,1.475 -2.075,1.475 -2.008,1.462 -1.951,1.424 -1.913,1.367 -1.9,1.3 -1.9,1.3 -1.923,1.212 -1.987,1.148 -2.075,1.125 -2.075,1.125 -2.9,1.125
  silkscreen extent -3.6,-2.58 2.58,2.58, body extent -3,-3 3,3, height 0.25
FP-SOD123-IPC_A [mm]
  rect 1.557x0.742 smd paste+0 mask+0: 1(-1.7,0)
  rrect100% 1.557x0.742 smd paste+0 mask+0: 2(1.7,0)
  silkscreen extent -3.39,-0.77 1.33,0.77, body extent -2.98,-1.28 2.98,1.28, height 0.25
FP-SS34LWH-MFG [mm]
  rect 1.2x1.4 smd paste+0 mask+0: 1(-1.55,0) 2(1.55,0)
  silkscreen extent -2.83,-0.95 0.58,0.95, body extent -2.25,-1.05 2.25,1.05, height 0.25
FP-U_FL-R-SMT-1_80-MFG [mm]
  rect 1x1.05 smd paste-1000 mask+0: 1(0,-1.525)
  rect 1.05x2.2 smd paste-1000 mask+0: 2(-1.475,0) 3(1.475,0)
  silkscreen extent -1.75,-2.82 1.73,1.38, body extent -2.1,-2.15 2.1,1.73, height 0.25
FP-XRCGB-MFG [mm]
  rect 0.75x0.7 smd paste+0 mask+0: 1(-0.675,-0.5) 2(0.675,-0.5) 3(0.675,0.5) 4(-0.675,0.5)
  silkscreen extent -1.52,-1.43 1.42,0.85, body extent -1.15,-0.95 1.15,0.95, height 0.25
LCC-16_L16.0-W16.0-P2.00-TL [mm]
  rect 2.2x1.2 smd paste+0 mask+0.05: 1(-7.9,7) 2(-7.9,5) 3(-7.9,3) 4(-7.9,1) 5(-7.9,-1) 6(-7.9,-3) 7(-7.9,-5) 8(-7.9,-7) 9(7.9,-7) 10(7.9,-5) 11(7.9,-3) 12(7.9,-1) 13(7.9,1) 14(7.9,3) 15(7.9,5) 16(7.9,7)
  silkscreen extent -8.38,-8.25 8.3,8.26, body extent -8,-8 8,8, height 1.8
LED-SMD_4P-L5.0-W5.0-BL_XL-5050RGBC [mm]
  rect 1x1.5 smd: 1(-1.5,-2.5) 2(1.5,-2.5) 3(1.5,2.5) 4(-1.5,2.5)
  silkscreen extent -2.5,-4.1 2.5,4.4
LTST-C170KRKT_V [mm] "SMD, 2-Leads, Body 2x1.25mm"
  rect 1.2x1.2 smd: 1(-1.05,0) 2(1.05,0)
  silkscreen extent -0.05,-0.63 2.16,0.64, body extent -1,-0.63 1,0.63, height 1.2
LTST-LTST-C170KGKT-2_V [mm] "SMD, 2-Leads, Body 2.00x1.25mm"
  rect 1.2x1.2 smd: 1(-1.05,0) 2(1.05,0)
  silkscreen extent -1.6,-0.65 0.05,0.95, body extent -1,-0.63 1,0.63, height 1.1
OLED-TH_4P-L72.0-W43.0-P2.54 [mm]
  rect 1.6x1.6 hole 1: 1(0,-3.81)
  round 1.6 hole 1: 2(0,-1.27) 3(0,1.27) 4(0,3.81)
  Keep-Out Layer board cut-out: 69.049,19.5 68.895,18.827 68.465,18.288 67.844,17.989 67.154,17.989 66.532,18.288 66.102,18.827 65.949,19.5 65.949,19.5 66.102,20.172 66.532,20.712 67.154,21.011 67.844,21.011 68.465,20.712 68.895,20.172 69.049,19.5
  Keep-Out Layer board cut-out: 69.049,-19.5 68.895,-20.173 68.465,-20.712 67.844,-21.011 67.154,-21.011 66.532,-20.712 66.102,-20.173 65.949,-19.5 65.949,-19.5 66.102,-18.828 66.532,-18.288 67.154,-17.989 67.844,-17.989 68.465,-18.288 68.895,-18.828 69.049,-19.5
  Keep-Out Layer board cut-out: 1.049,-19.5 0.895,-20.173 0.465,-20.712 -0.156,-21.011 -0.846,-21.011 -1.468,-20.712 -1.898,-20.173 -2.051,-19.5 -2.051,-19.5 -1.898,-18.828 -1.468,-18.288 -0.846,-17.989 -0.156,-17.989 0.465,-18.288 0.895,-18.828 1.049,-19.5
  Keep-Out Layer board cut-out: 1.049,19.5 0.895,18.827 0.465,18.288 -0.156,17.989 -0.846,17.989 -1.468,18.288 -1.898,18.827 -2.051,19.5 -2.051,19.5 -1.898,20.172 -1.468,20.712 -0.846,21.011 -0.156,21.011 0.465,20.712 0.895,20.172 1.049,19.5
  Keep-Out Layer circle w0.025: c67.499,19.5 r1.55
  Keep-Out Layer circle w0.025: c67.499,-19.5 r1.55
  Keep-Out Layer circle w0.025: c-0.501,-19.5 r1.55
  Keep-Out Layer circle w0.025: c-0.501,19.5 r1.55
  Keep-Out Layer region: 69.049,19.5 68.895,18.827 68.465,18.288 67.844,17.989 67.154,17.989 66.532,18.288 66.102,18.827 65.949,19.5 65.949,19.5 66.102,20.172 66.532,20.712 67.154,21.011 67.844,21.011 68.465,20.712 68.895,20.172 69.049,19.5
  Keep-Out Layer region: 69.049,-19.5 68.895,-20.173 68.465,-20.712 67.844,-21.011 67.154,-21.011 66.532,-20.712 66.102,-20.173 65.949,-19.5 65.949,-19.5 66.102,-18.828 66.532,-18.288 67.154,-17.989 67.844,-17.989 68.465,-18.288 68.895,-18.828 69.049,-19.5
  Keep-Out Layer region: 1.049,-19.5 0.895,-20.173 0.465,-20.712 -0.156,-21.011 -0.846,-21.011 -1.468,-20.712 -1.898,-20.173 -2.051,-19.5 -2.051,-19.5 -1.898,-18.828 -1.468,-18.288 -0.846,-17.989 -0.156,-17.989 0.465,-18.288 0.895,-18.828 1.049,-19.5
  Keep-Out Layer region: 1.049,19.5 0.895,18.827 0.465,18.288 -0.156,17.989 -0.846,17.989 -1.468,18.288 -1.898,18.827 -2.051,19.5 -2.051,19.5 -1.898,20.172 -1.468,20.712 -0.846,21.011 -0.156,21.011 0.465,20.712 0.895,20.172 1.049,19.5
  silkscreen extent -2.5,-21.5 69.5,21.5, body extent -2.5,-21.24 69.5,21.56, height 7.44
PAD_SQ_2MM [mm]
  rect 2x2 smd paste-1: 1(0,0)
PCBComponent_1 [mm]
  round 1 smd mask+0: 1(-0.762,0) 2(0.762,0)
  SIG1 region: -0.373,-1.045 -0.754,-1.045 -1.389,-0.41 -1.389,0.352 -0.754,0.987 -0.373,0.987
  SIG1 region: 0.381,1.016 0.762,1.016 1.397,0.381 1.397,-0.381 0.762,-1.016 0.381,-1.016
  SIG1 lines w0.254: -0.381,-1.016 cw(c-0.381,0) -0.381,1.016 -0.381,-1.016 ; -0.381,-1.016 -0.381,-1.016 ; 0.381,1.016 cw(c0.381,0) 0.381,-1.016 0.381,1.016
"PCBComponent_1 - duplicate" [mil]
  round 236.22 hole 125.98 mask+0: 1(0,0)
  round 15 hole 15 unplated: 2(-92.52,0) 2(-65.35,-65.35) 2(-65.35,65.35) 2(0,-92.52) 2(0,92.52) 2(65.35,-65.35) 2(65.35,65.35) 2(92.52,0)
QFP50P900X900X160-48N [mm]
  rect 1.56x0.28 smd: 1(-4.18,2.75) 2(-4.18,2.25) 3(-4.18,1.75) 4(-4.18,1.25) 5(-4.18,0.75) 6(-4.18,0.25) 7(-4.18,-0.25) 8(-4.18,-0.75) 9(-4.18,-1.25) 10(-4.18,-1.75) 11(-4.18,-2.25) 12(-4.18,-2.75) 25(4.18,-2.75) 26(4.18,-2.25) 27(4.18,-1.75) 28(4.18,-1.25) 29(4.18,-0.75) 30(4.18,-0.25) 31(4.18,0.25) 32(4.18,0.75) 33(4.18,1.25) 34(4.18,1.75) 35(4.18,2.25) 36(4.18,2.75)
  rect 0.28x1.56 smd: 13(-2.75,-4.18) 14(-2.25,-4.18) 15(-1.75,-4.18) 16(-1.25,-4.18) 17(-0.75,-4.18) 18(-0.25,-4.18) 19(0.25,-4.18) 20(0.75,-4.18) 21(1.25,-4.18) 22(1.75,-4.18) 23(2.25,-4.18) 24(2.75,-4.18) 37(2.75,4.18) 38(2.25,4.18) 39(1.75,4.18) 40(1.25,4.18) 41(0.75,4.18) 42(0.25,4.18) 43(-0.25,4.18) 44(-0.75,4.18) 45(-1.25,4.18) 46(-1.75,4.18) 47(-2.25,4.18) 48(-2.75,4.18)
  silkscreen extent -5.55,-3.55 3.55,3.55, body extent -4.5,-4.5 4.5,4.5, height 1.6
RELAY-TH_SRD-XXVDC-XL-C [mil]
  round 110 hole 60: 1(-200.79,-236.22) 2(279.53,-236.2) 3(279.53,236.2) 4(-200.79,236.22) 5(-279.53,0)
  silkscreen extent -342,-307 413,307, body extent -339,-307 417,307, height 622
RES_0402 [mm]
  rrect25% 0.6x0.7 smd: 1(-0.5,0) 2(0.5,0)
  body extent -0.5,-0.25 0.5,0.25, height 0.3
RES_0603 [mm]
  rrect25% 0.8x1 smd: 1(-0.75,0) 2(0.75,0)
  body extent -0.8,-0.43 0.8,0.43, height 0.52
RES_1206 [mm]
  rrect25% 1.8x1.84 smd: 1(-1.5,0) 2(1.5,0)
  body extent -1.6,-0.83 1.6,0.83, height 0.57
SMA-TH_BWSMA-KWE-Z001 [mm]
  round 2.2 hole 1.6: 1(-2.55,-2.55) 2(-2.55,2.55) 3(2.55,2.55)
  round 2.2 hole 1.6 copper offset 0,0: 4(2.55,-2.55)
  round 2 hole 1.3: 5(0,0)
  silkscreen extent -1.32,-3.05 1.32,3.05, body extent -3.2,-4.96 88,4.96, height 8.75
SON40P220X200X80-11N [mm]
  rect 0.75x0.2 smd: 1(-1.1,0.8) 2(-1.1,0.4) 3(-1.1,0) 4(-1.1,-0.4) 5(-1.1,-0.8) 6(1.1,-0.8) 7(1.1,-0.4) 8(1.1,0) 9(1.1,0.4) 10(1.1,0.8)
  rect 1x1.6 smd: 11(0,0)
  silkscreen extent -1.6,1.28 -1.35,1.52, body extent -1.15,-1 1.15,1, height 0.8
SOT-23-3_L2.9-W1.3-P1.90-LS2.4-BR [mm]
  rect 1.25x0.7 smd: 1(1,-0.95) 2(1,0.95) 3(-1,0)
  silkscreen extent -0.73,-1.53 0.73,1.53
SOT-23-6_L2.9-W1.6-P0.95-LS2.8-BL [mm]
  rect 0.532x1.072 smd paste+0 mask+0.051: 1(-0.95,-1.149) 2(0,-1.149) 3(0.95,-1.149) 4(0.95,1.149) 5(0,1.149) 6(-0.95,1.149)
  silkscreen extent -1.82,-1.45 1.54,0.89
SOT-23-6_L2.9-W1.6-P0.95-LS2.8-BL_3 [mm]
  rect 0.532x1.072 smd paste+0 mask+0.051: 1(-0.95,-1.149) 2(0,-1.149) 3(0.95,-1.149) 4(0.95,1.149) 5(0,1.149) 6(-0.95,1.149)
  silkscreen extent -1.82,-1.45 1.54,0.89
SOT-89-3_L4.5-W2.5-P1.50-LS4.2-BR [mm]
  rect 1.575x0.672 smd: 1(1.356,-1.5) 3(1.356,1.5)
  round 0.38 smd: 2(-1.356,0)
  SIG1 region: -2.283,0.95 -0.429,0.95 -0.384,0.949 -0.34,0.946 -0.296,0.94 -0.252,0.933 -0.208,0.924 -0.165,0.912 -0.123,0.899 -0.081,0.884 -0.04,0.866 0,0.847 0.04,0.826 0.078,0.803 0.115,0.779 0.151,0.752 0.185,0.724 0.219,0.695 0.251,0.664 0.281,0.631 0.31,0.597 0.337,0.562 0.362,0.525 0.386,0.488 0.408,0.449 0.428,0.409 0.447,0.33 2.144,0.33 2.144,-0.33 0.447,-0.33 0.428,-0.409 0.408,-0.449 0.386,-0.488 0.362,-0.526 0.337,-0.562 0.31,-0.597 0.281,-0.631 0.251,-0.664 0.219,-0.695 0.185,-0.725 0.151,-0.753 0.115,-0.779 0.078,-0.804 0.04,-0.827 0,-0.848 -0.04,-0.867 -0.081,-0.884 -0.123,-0.899 -0.165,-0.913 -0.208,-0.924 -0.252,-0.934 -0.296,-0.941 -0.34,-0.946 -0.384,-0.949 -0.429,-0.95 -2.283,-0.95 -2.328,-0.949 -2.372,-0.946 -2.416,-0.941 -2.46,-0.934 -2.504,-0.924 -2.547,-0.913 -2.589,-0.899 -2.631,-0.884 -2.672,-0.867 -2.713,-0.848 -2.752,-0.827 -2.79,-0.804 -2.827,-0.779 -2.863,-0.753 -2.898,-0.725 -2.931,-0.695 -2.963,-0.664 -2.993,-0.631 -3.022,-0.597 -3.049,-0.562 -3.075,-0.526 -3.098,-0.488 -3.12,-0.449 -3.141,-0.409 -3.159,-0.369 -3.175,-0.327 -3.189,-0.285 -3.202,-0.242 -3.212,-0.199 -3.22,-0.155 -3.227,-0.111 -3.231,-0.067 -3.233,-0.022 -3.233,0.022 -3.231,0.067 -3.227,0.111 -3.22,0.155 -3.212,0.199 -3.202,0.242 -3.189,0.285 -3.175,0.327 -3.159,0.369 -3.141,0.409 -3.12,0.449 -3.098,0.488 -3.075,0.525 -3.049,0.562 -3.022,0.597 -2.993,0.631 -2.963,0.664 -2.931,0.695 -2.898,0.724 -2.863,0.752 -2.827,0.779 -2.79,0.803 -2.752,0.826 -2.713,0.847 -2.672,0.866 -2.631,0.884 -2.589,0.899 -2.547,0.912 -2.504,0.924 -2.46,0.933 -2.416,0.94 -2.372,0.946 -2.328,0.949 -2.283,0.95
  silkscreen extent -1.95,-2.33 0.7,2.33
SS12D11G5R [mm]
  rect 2.4x2.4 hole 1.6: 1(0,0)
  round 2.4 hole 1.6: 2(4.8,0) 3(9.6,0)
  round 2.25 hole 1.5: MH1(11.45,9.2) MH2(-1.85,9.2)
  silkscreen extent -1.95,-1.8 11.6,10.78, body extent -1.95,-0.66 11.55,15.79, height 6.93
SW-SMD_L3.9-W3.0-P4.45 [mm]
  rect 1.23x1.36 smd: 1(-2.185,0) 2(2.185,0)
  silkscreen extent -2.03,-1.62 2.25,1.62
TF-SMD_TF-PUSH [mm]
  rect 0.7x1.6 smd paste+0 mask+0.051: 1(2.25,5.3) 2(1.15,5.3) 3(0.05,5.3) 4(-1.05,5.3) 5(-2.15,5.3) 6(-3.25,5.3) 7(-4.35,5.3) 8(-5.45,5.3) CD(-6.55,5.3)
  rect 1.2x1.5 smd paste+0 mask+0.051: 10(-7.75,4.3)
  rect 1.2x2.2 smd paste+0 mask+0.051: 11(-7.75,-5.3) 12(7.75,-5.3)
  rect 1.6x1.5 smd paste+0 mask+0.051: 13(6.85,4.3)
  round 1.2 hole 1.2 unplated paste-2539.97: ""(-4.95,-5.7) ""(3.05,-5.7)
  silkscreen extent -7.26,-9.7 8,5.3, body extent -8.1,-11.59 8,5.46, height 1.85
TS1187ABAB [mm]
  rect 1x0.75 smd: A1(-3,1.875) B1(3,1.875) C1(-3,-1.875) D1(3,-1.875)
  silkscreen extent -4.5,-2.55 2.55,2.55, body extent -3.2,-2.55 3.3,2.55, height 1.5
TYPE-C-31-M-12 [mm]
  rect 0.6x1.5 smd mask+0.07: A1B12(-3.2,2.85) B1A12(3.2,2.85)
  rect 0.6x1.5 smd mask+0.14: A4B9(-2.4,2.85) B4A9(2.4,2.85)
  rect 0.3x1.5 smd mask+0.14: A5(-1.25,2.85) A6(-0.25,2.85) A7(0.25,2.85) A8(1.25,2.85) B5(1.75,2.85) B6(0.75,2.85) B7(-0.75,2.85) B8(-1.75,2.85)
  round 0.6 hole 0.6 unplated mask+0.3: MH(-2.9,1.6) MH(2.9,1.6)
  oval 1x2.2 hole 0.55 slot 1.75 at 90 deg mask+0.05: SH(-4.325,2.1) SH(4.325,2.1)
  oval 1x1.9 hole 0.55 slot 1.45 at 90 deg mask+0.05: SH(-4.325,-2.1) SH(4.325,-2.1)
  silkscreen extent -5.25,-3.25 5.25,4, body extent -4.47,-4.65 4.47,3.25, height 3.32
XCVR_ESP32-S3-MINI-1U-N8 [mm]
  rect 0.8x0.4 smd: 1(-7,5.95) 2(-7,5.1) 3(-7,4.25) 4(-7,3.4) 5(-7,2.55) 6(-7,1.7) 7(-7,0.85) 8(-7,0) 9(-7,-0.85) 10(-7,-1.7) 11(-7,-2.55) 12(-7,-3.4) 13(-7,-4.25) 14(-7,-5.1) 15(-7,-5.95) 31(7,-5.95) 32(7,-5.1) 33(7,-4.25) 34(7,-3.4) 35(7,-2.55) 36(7,-1.7) 37(7,-0.85) 38(7,0) 39(7,0.85) 40(7,1.7) 41(7,2.55) 42(7,3.4) 43(7,4.25) 44(7,5.1) 45(7,5.95)
  rect 0.4x0.8 smd: 16(-5.95,-7) 17(-5.1,-7) 18(-4.25,-7) 19(-3.4,-7) 20(-2.55,-7) 21(-1.7,-7) 22(-0.85,-7) 23(0,-7) 24(0.85,-7) 25(1.7,-7) 26(2.55,-7) 27(3.4,-7) 28(4.25,-7) 29(5.1,-7) 30(5.95,-7) 46(5.95,7) 47(5.1,7) 48(4.25,7) 49(3.4,7) 50(2.55,7) 51(1.7,7) 52(0.85,7) 53(0,7) 54(-0.85,7) 55(-1.7,7) 56(-2.55,7) 57(-3.4,7) 58(-4.25,7) 59(-5.1,7) 60(-5.95,7)
  rect 0.4x0.4 smd paste-1 mask+0: 61_1(-1.65,1.65)
  rect 1.2x1.2 smd: 61_2(0,1.65) 61_3(1.65,1.65) 61_4(-1.65,0) 61_5(0,0) 61_6(1.65,0) 61_7(-1.65,-1.65) 61_8(0,-1.65) 61_9(1.65,-1.65)
  rect 0.8x0.8 smd: 62(-7,7) 63(-7,-7) 64(7,-7) 65(7,7)
  SIG1 region: -1.05,1.05 -2.25,1.05 -2.25,1.65 -1.65,2.25 -1.05,2.25
  silkscreen extent -8.35,-7.72 7.72,7.72, body extent -7.7,-7.7 7.7,7.7, height 2.55
YC324JK07220RL [mm]
  rect 0.71x0.85 smd: 1(-1.905,-1.525) 2(-0.635,-1.525) 3(0.635,-1.525) 4(1.905,-1.525) 5(1.905,1.525) 6(0.635,1.525) 7(-0.635,1.525) 8(-1.905,1.525)
  silkscreen extent -1.95,-2.5 -1.86,-2.4, body extent -2.54,-1.6 2.54,1.6, height 0.7